# KiCad board oibus-mini-CCC_PANEL.kicad_pcb (continued)
## Routing (per net, layer and track width the routed paths; a pad name or vN(x,y) marks a point on that pad's centre or on a via; arc(x,y) is an arc through that point) (continued)
+5V: length 3319.4
  Top w0.5: U5#2.5 52.8,18.6 C9#2.2 ; C11#2.2 47.4,49.72 47.4,51.41 47,51.81 ; C11#2.2 47.41,50.01 ; C11#2.2 46.71,50.41 40.2,50.41 v4(39.6,49.81) ; v4(37.8,17.11) 37.8,16.4 37.6,16.2 37.6,8.46 38.45,7.61 45.38,7.61 45.55,7.43 46.95,7.43 47.12,7.61 47.55,7.61 47.75,7.41 ; U5#3.5 89.8,18.6 C9#3.2 ; C11#3.2 84.4,49.72 84.4,51.41 84,51.81 ; C11#3.2 84.41,50.01 ; C11#3.2 83.71,50.41 77.2,50.41 v4(76.6,49.81) ; v4(74.8,17.11) 74.8,16.4 74.6,16.2 74.6,8.46 75.45,7.61 82.38,7.61 82.55,7.43 83.95,7.43 84.12,7.61 84.55,7.61 84.75,7.41 ; v4(111.8,17.11) 111.8,16.4 111.6,16.2 111.6,8.46 112.45,7.61 119.38,7.61 119.55,7.43 120.95,7.43 121.12,7.61 121.55,7.61 121.75,7.41 ; U5#4.5 126.8,18.6 C9#4.2 ; C11#4.2 121.4,49.72 121.4,51.41 121,51.81 ; C11#4.2 121.41,50.01 ; C11#4.2 120.71,50.41 114.2,50.41 v4(113.6,49.81) ; U5#5.5 163.8,18.6 C9#6.2 ; C11#6.2 158.4,49.72 158.4,51.41 158,51.81 ; C11#6.2 158.41,50.01 ; C11#6.2 157.71,50.41 151.2,50.41 v4(150.6,49.81) ; v4(148.8,17.11) 148.8,16.4 148.6,16.2 148.6,8.46 149.45,7.61 156.38,7.61 156.55,7.43 157.95,7.43 158.12,7.61 158.55,7.61 158.75,7.41 ; U5#6.5 200.8,18.6 C9#5.2 ; C11#5.2 195.4,49.72 195.4,51.41 195,51.81 ; C11#5.2 195.41,50.01 ; C11#5.2 194.71,50.41 188.2,50.41 v4(187.6,49.81) ; v4(185.8,17.11) 185.8,16.4 185.6,16.2 185.6,8.46 186.45,7.61 193.38,7.61 193.55,7.43 194.95,7.43 195.12,7.61 195.55,7.61 195.75,7.41 ; U5#8.5 237.8,18.6 C9#7.2 ; C11#7.2 232.4,49.72 232.4,51.41 232,51.81 ; C11#7.2 232.41,50.01 ; C11#7.2 231.71,50.41 225.2,50.41 v4(224.6,49.81) ; v4(222.8,17.11) 222.8,16.4 222.6,16.2 222.6,8.46 223.45,7.61 230.38,7.61 230.55,7.43 231.95,7.43 232.12,7.61 232.55,7.61 232.75,7.41 ; v4(259.8,17.11) 259.8,16.4 259.6,16.2 259.6,8.46 260.45,7.61 267.38,7.61 267.55,7.43 268.95,7.43 269.12,7.61 269.55,7.61 269.75,7.41 ; U5#7.5 274.8,18.6 C9#8.2 ; C11#8.2 269.4,49.72 269.4,51.41 269,51.81 ; C11#8.2 269.41,50.01 ; C11#8.2 268.71,50.41 262.2,50.41 v4(261.6,49.81) ; U5#9.5 15.8,84.6 C9#9.2 ; C11#9.2 10.4,115.72 10.4,117.41 10,117.81 ; C11#9.2 10.41,116.01 ; C11#9.2 9.71,116.41 3.2,116.41 v4(2.6,115.81) ; v4(0.8,83.11) 0.8,82.4 0.6,82.2 0.6,74.46 1.45,73.61 8.38,73.61 8.55,73.43 9.95,73.43 10.12,73.61 10.55,73.61 10.75,73.41 ; U5#11.5 89.8,84.6 C9#12.2 ; C11#12.2 84.4,115.72 84.4,117.41 84,117.81 ; C11#12.2 84.41,116.01 ; C11#12.2 83.71,116.41 77.2,116.41 v4(76.6,115.81) ; v4(74.8,83.11) 74.8,82.4 74.6,82.2 74.6,74.46 75.45,73.61 82.38,73.61 82.55,73.43 83.95,73.43 84.12,73.61 84.55,73.61 84.75,73.41 ; v4(37.8,83.11) 37.8,82.4 37.6,82.2 37.6,74.46 38.45,73.61 45.38,73.61 45.55,73.43 46.95,73.43 47.12,73.61 47.55,73.61 47.75,73.41 ; U5#13.5 52.8,84.6 C9#13.2 ; C11#13.2 47.4,115.72 47.4,117.41 47,117.81 ; C11#13.2 47.41,116.01 ; C11#13.2 46.71,116.41 40.2,116.41 v4(39.6,115.81) ; U5#12.5 126.8,84.6 C9#11.2 ; C11#11.2 121.4,115.72 121.4,117.41 121,117.81 ; C11#11.2 121.41,116.01 ; C11#11.2 120.71,116.41 114.2,116.41 v4(113.6,115.81) ; v4(111.8,83.11) 111.8,82.4 111.6,82.2 111.6,74.46 112.45,73.61 119.38,73.61 119.55,73.43 120.95,73.43 121.12,73.61 121.55,73.61 121.75,73.41 ; U5#14.5 163.8,84.6 C9#10.2 ; C11#10.2 158.4,115.72 158.4,117.41 158,117.81 ; C11#10.2 158.41,116.01 ; C11#10.2 157.71,116.41 151.2,116.41 v4(150.6,115.81) ; v4(148.8,83.11) 148.8,82.4 148.6,82.2 148.6,74.46 149.45,73.61 156.38,73.61 156.55,73.43 157.95,73.43 158.12,73.61 158.55,73.61 158.75,73.41 ; v4(185.8,83.11) 185.8,82.4 185.6,82.2 185.6,74.46 186.45,73.61 193.38,73.61 193.55,73.43 194.95,73.43 195.12,73.61 195.55,73.61 195.75,73.41 ; U5#10.5 200.8,84.6 C9#14.2 ; C11#14.2 195.4,115.72 195.4,117.41 195,117.81 ; C11#14.2 195.41,116.01 ; C11#14.2 194.71,116.41 188.2,116.41 v4(187.6,115.81) ; U5#16.5 237.8,84.6 C9#15.2 ; C11#15.2 232.4,115.72 232.4,117.41 232,117.81 ; C11#15.2 232.41,116.01 ; C11#15.2 231.71,116.41 225.2,116.41 v4(224.6,115.81) ; v4(222.8,83.11) 222.8,82.4 222.6,82.2 222.6,74.46 223.45,73.61 230.38,73.61 230.55,73.43 231.95,73.43 232.12,73.61 232.55,73.61 232.75,73.41 ; C11#16.2 269.4,115.72 269.4,117.41 269,117.81 ; C11#16.2 269.41,116.01 ; C11#16.2 268.71,116.41 262.2,116.41 v4(261.6,115.81) ; U5#15.5 274.8,84.6 C9#16.2 ; v4(259.8,83.11) 259.8,82.4 259.6,82.2 259.6,74.46 260.45,73.61 267.38,73.61 267.55,73.43 268.95,73.43 269.12,73.61 269.55,73.61 269.75,73.41 ; U5#24.5 15.8,216.6 C9#24.2 ; C11#24.2 10.4,247.72 10.4,249.41 10,249.81 ; C11#24.2 10.41,248.01 ; C11#24.2 9.71,248.41 3.2,248.41 v4(2.6,247.81) ; v4(0.8,215.11) 0.8,214.4 0.6,214.2 0.6,206.46 1.45,205.61 8.38,205.61 8.55,205.43 9.95,205.43 10.12,205.61 10.55,205.61 10.75,205.41 ; U5#27.5 89.8,216.6 C9#28.2 ; C11#28.2 84.4,247.72 84.4,249.41 84,249.81 ; C11#28.2 84.41,248.01 ; C11#28.2 83.71,248.41 77.2,248.41 v4(76.6,247.81) ; v4(74.8,215.11) 74.8,214.4 74.6,214.2 74.6,206.46 75.45,205.61 82.38,205.61 82.55,205.43 83.95,205.43 84.12,205.61 84.55,205.61 84.75,205.41 ; U5#29.5 52.8,216.6 C9#29.2 ; C11#29.2 47.4,247.72 47.4,249.41 47,249.81 ; C11#29.2 47.41,248.01 ; C11#29.2 46.71,248.41 40.2,248.41 v4(39.6,247.81) ; v4(37.8,215.11) 37.8,214.4 37.6,214.2 37.6,206.46 38.45,205.61 45.38,205.61 45.55,205.43 46.95,205.43 47.12,205.61 47.55,205.61 47.75,205.41 ; C11#27.2 121.4,247.72 121.4,249.41 121,249.81 ; C11#27.2 121.41,248.01 ; C11#27.2 120.71,248.41 114.2,248.41 v4(113.6,247.81) ; v4(111.8,215.11) 111.8,214.4 111.6,214.2 111.6,206.46 112.45,205.61 119.38,205.61 119.55,205.43 120.95,205.43 121.12,205.61 121.55,205.61 121.75,205.41 ; U5#28.5 126.8,216.6 C9#27.2 ; U5#30.5 163.8,216.6 C9#26.2 ; C11#26.2 158.4,247.72 158.4,249.41 158,249.81 ; C11#26.2 158.41,248.01 ; C11#26.2 157.71,248.41 151.2,248.41 v4(150.6,247.81) ; v4(148.8,215.11) 148.8,214.4 148.6,214.2 148.6,206.46 149.45,205.61 156.38,205.61 156.55,205.43 157.95,205.43 158.12,205.61 158.55,205.61 158.75,205.41 ; U5#17.5 15.8,150.6 C9#17.2 ; C11#17.2 10.4,181.72 10.4,183.41 10,183.81 ; C11#17.2 10.41,182.01 ; C11#17.2 9.71,182.41 3.2,182.41 v4(2.6,181.81) ; v4(0.8,149.11) 0.8,148.4 0.6,148.2 0.6,140.46 1.45,139.61 8.38,139.61 8.55,139.43 9.95,139.43 10.12,139.61 10.55,139.61 10.75,139.41 ; U5#19.5 89.8,150.6 C9#20.2 ; C11#20.2 84.4,181.72 84.4,183.41 84,183.81 ; C11#20.2 84.41,182.01 ; C11#20.2 83.71,182.41 77.2,182.41 v4(76.6,181.81) ; v4(74.8,149.11) 74.8,148.4 74.6,148.2 74.6,140.46 75.45,139.61 82.38,139.61 82.55,139.43 83.95,139.43 84.12,139.61 84.55,139.61 84.75,139.41 ; v4(37.8,149.11) 37.8,148.4 37.6,148.2 37.6,140.46 38.45,139.61 45.38,139.61 45.55,139.43 46.95,139.43 47.12,139.61 47.55,139.61 47.75,139.41 ; U5#21.5 52.8,150.6 C9#21.2 ; C11#21.2 47.4,181.72 47.4,183.41 47,183.81 ; C11#21.2 47.41,182.01 ; C11#21.2 46.71,182.41 40.2,182.41 v4(39.6,181.81) ; U5#20.5 126.8,150.6 C9#19.2 ; C11#19.2 121.4,181.72 121.4,183.41 121,183.81 ; C11#19.2 121.41,182.01 ; C11#19.2 120.71,182.41 114.2,182.41 v4(113.6,181.81) ; v4(111.8,149.11) 111.8,148.4 111.6,148.2 111.6,140.46 112.45,139.61 119.38,139.61 119.55,139.43 120.95,139.43 121.12,139.61 121.55,139.61 121.75,139.41 ; U5#22.5 163.8,150.6 C9#18.2 ; C11#18.2 158.4,181.72 158.4,183.41 158,183.81 ; C11#18.2 158.41,182.01 ; C11#18.2 157.71,182.41 151.2,182.41 v4(150.6,181.81) ; v4(148.8,149.11) 148.8,148.4 148.6,148.2 148.6,140.46 149.45,139.61 156.38,139.61 156.55,139.43 157.95,139.43 158.12,139.61 158.55,139.61 158.75,139.41 ; v4(185.8,149.11) 185.8,148.4 185.6,148.2 185.6,140.46 186.45,139.61 193.38,139.61 193.55,139.43 194.95,139.43 195.12,139.61 195.55,139.61 195.75,139.41 ; U5#18.5 200.8,150.6 C9#22.2 ; C11#22.2 195.4,181.72 195.4,183.41 195,183.81 ; C11#22.2 195.41,182.01 ; C11#22.2 194.71,182.41 188.2,182.41 v4(187.6,181.81) ; U5#25.5 237.8,150.6 C9#23.2 ; C11#23.2 232.4,181.72 232.4,183.41 232,183.81 ; C11#23.2 232.41,182.01 ; C11#23.2 231.71,182.41 225.2,182.41 v4(224.6,181.81) ; v4(222.8,149.11) 222.8,148.4 222.6,148.2 222.6,140.46 223.45,139.61 230.38,139.61 230.55,139.43 231.95,139.43 232.12,139.61 232.55,139.61 232.75,139.41 ; C11#25.2 269.4,181.72 269.4,183.41 269,183.81 ; C11#25.2 269.41,182.01 ; C11#25.2 268.71,182.41 262.2,182.41 v4(261.6,181.81) ; U5#23.5 274.8,150.6 C9#25.2 ; v4(259.8,149.11) 259.8,148.4 259.6,148.2 259.6,140.46 260.45,139.61 267.38,139.61 267.55,139.43 268.95,139.43 269.12,139.61 269.55,139.61 269.75,139.41 ; C11#30.2 195.4,247.72 195.4,249.41 195,249.81 ; C11#30.2 195.41,248.01 ; C11#30.2 194.71,248.41 188.2,248.41 v4(187.6,247.81) ; U5#26.5 200.8,216.6 C9#30.2 ; v4(185.8,215.11) 185.8,214.4 185.6,214.2 185.6,206.46 186.45,205.61 193.38,205.61 193.55,205.43 194.95,205.43 195.12,205.61 195.55,205.61 195.75,205.41 ; U5#32.5 237.8,216.6 C9#31.2 ; C11#31.2 232.4,247.72 232.4,249.41 232,249.81 ; C11#31.2 232.41,248.01 ; C11#31.2 231.71,248.41 225.2,248.41 v4(224.6,247.81) ; v4(222.8,215.11) 222.8,214.4 222.6,214.2 222.6,206.46 223.45,205.61 230.38,205.61 230.55,205.43 231.95,205.43 232.12,205.61 232.55,205.61 232.75,205.41 ; U5#31.5 274.8,216.6 C9#32.2 ; v4(259.8,215.11) 259.8,214.4 259.6,214.2 259.6,206.46 260.45,205.61 267.38,205.61 267.55,205.43 268.95,205.43 269.12,205.61 269.55,205.61 269.75,205.41 ; C11#32.2 269.4,247.72 269.4,249.41 269,249.81 ; C11#32.2 269.41,248.01 ; C11#32.2 268.71,248.41 262.2,248.41 v4(261.6,247.81) ; U5.5 15.8,18.6 C9.2 ; 10,51.81 10.4,51.41 10.4,49.72 C11.2 ; v4(2.6,49.81) 3.2,50.41 9.71,50.41 C11.2 ; C11.2 10.41,50.01 ; v4(0.8,17.11) 0.8,16.4 0.6,16.2 0.6,8.46 1.45,7.61 8.38,7.61 8.55,7.43 9.95,7.43 10.12,7.61 10.55,7.61 10.75,7.41
  Top w0.6: v2(48.5,7.61) 47.95,7.61 47.75,7.41 ; v4(62.9,9.01) 64.06,9.01 C14#2.2 66.81,11.76 J3#2.2 ; v2(85.5,7.61) 84.95,7.61 84.75,7.41 ; v4(99.9,9.01) 101.06,9.01 C14#4.2 103.81,11.76 J3#3.2 ; v2(122.5,7.61) 121.95,7.61 121.75,7.41 ; v4(136.9,9.01) 138.06,9.01 C14#3.2 140.81,11.76 J3#4.2 ; v2(159.5,7.61) 158.95,7.61 158.75,7.41 ; v4(173.9,9.01) 175.06,9.01 C14#6.2 177.81,11.76 J3#5.2 ; v2(196.5,7.61) 195.95,7.61 195.75,7.41 ; v4(210.9,9.01) 212.06,9.01 C14#5.2 214.81,11.76 J3#6.2 ; v2(233.5,7.61) 232.95,7.61 232.75,7.41 ; v4(247.9,9.01) 249.06,9.01 C14#8.2 251.81,11.76 J3#8.2 ; v2(270.5,7.61) 269.95,7.61 269.75,7.41 ; v4(284.9,9.01) 286.06,9.01 C14#7.2 288.81,11.76 J3#7.2 ; v2(11.5,73.61) 10.95,73.61 10.75,73.41 ; v4(25.9,75.01) 27.06,75.01 C14#10.2 29.81,77.76 J3#9.2 ; v2(85.5,73.61) 84.95,73.61 84.75,73.41 ; v4(99.9,75.01) 101.06,75.01 C14#14.2 103.81,77.76 J3#11.2 ; v2(48.5,73.61) 47.95,73.61 47.75,73.41 ; v4(62.9,75.01) 64.06,75.01 C14#9.2 66.81,77.76 J3#13.2 ; v2(122.5,73.61) 121.95,73.61 121.75,73.41 ; v4(136.9,75.01) 138.06,75.01 C14#13.2 140.81,77.76 J3#12.2 ; v2(159.5,73.61) 158.95,73.61 158.75,73.41 ; v4(173.9,75.01) 175.06,75.01 C14#12.2 177.81,77.76 J3#14.2 ; v2(196.5,73.61) 195.95,73.61 195.75,73.41 ; v4(210.9,75.01) 212.06,75.01 C14#11.2 214.81,77.76 J3#10.2 ; v2(233.5,73.61) 232.95,73.61 232.75,73.41 ; v4(247.9,75.01) 249.06,75.01 C14#16.2 251.81,77.76 J3#16.2 ; 269.75,73.41 269.95,73.61 v2(270.5,73.61) ; v4(284.9,75.01) 286.06,75.01 C14#15.2 288.81,77.76 J3#15.2 ; v2(11.5,205.61) 10.95,205.61 10.75,205.41 ; v4(25.9,207.01) 27.06,207.01 C14#24.2 29.81,209.76 J3#23.2 ; v2(85.5,205.61) 84.95,205.61 84.75,205.41 ; v4(99.9,207.01) 101.06,207.01 C14#30.2 103.81,209.76 J3#27.2 ; v2(48.5,205.61) 47.95,205.61 47.75,205.41 ; v4(62.9,207.01) 64.06,207.01 C14#21.2 66.81,209.76 J3#29.2 ; v4(136.9,207.01) 138.06,207.01 C14#29.2 140.81,209.76 J3#28.2 ; v2(122.5,205.61) 121.95,205.61 121.75,205.41 ; v2(159.5,205.61) 158.95,205.61 158.75,205.41 ; v4(173.9,207.01) 175.06,207.01 C14#28.2 177.81,209.76 J3#30.2 ; v2(11.5,139.61) 10.95,139.61 10.75,139.41 ; v4(25.9,141.01) 27.06,141.01 C14#18.2 29.81,143.76 J3#17.2 ; v2(85.5,139.61) 84.95,139.61 84.75,139.41 ; v4(99.9,141.01) 101.06,141.01 C14#23.2 103.81,143.76 J3#19.2 ; v2(48.5,139.61) 47.95,139.61 47.75,139.41 ; v4(62.9,141.01) 64.06,141.01 C14#17.2 66.81,143.76 J3#21.2 ; v2(122.5,139.61) 121.95,139.61 121.75,139.41 ; v4(136.9,141.01) 138.06,141.01 C14#22.2 140.81,143.76 J3#20.2 ; v2(159.5,139.61) 158.95,139.61 158.75,139.41 ; v4(173.9,141.01) 175.06,141.01 C14#20.2 177.81,143.76 J3#22.2 ; v2(196.5,139.61) 195.95,139.61 195.75,139.41 ; v4(210.9,141.01) 212.06,141.01 C14#19.2 214.81,143.76 J3#18.2 ; v2(233.5,139.61) 232.95,139.61 232.75,139.41 ; v4(247.9,141.01) 249.06,141.01 C14#26.2 251.81,143.76 J3#25.2 ; 269.75,139.41 269.95,139.61 v2(270.5,139.61) ; v4(284.9,141.01) 286.06,141.01 C14#25.2 288.81,143.76 J3#24.2 ; J3#26.2 214.81,209.76 C14#27.2 212.06,207.01 v4(210.9,207.01) ; v2(196.5,205.61) 195.95,205.61 195.75,205.41 ; v2(233.5,205.61) 232.95,205.61 232.75,205.41 ; v4(247.9,207.01) 249.06,207.01 C14#32.2 251.81,209.76 J3#32.2 ; v2(270.5,205.61) 269.95,205.61 269.75,205.41 ; v4(284.9,207.01) 286.06,207.01 C14#31.2 288.81,209.76 J3#31.2 ; v4(25.9,9.01) 27.06,9.01 C14.2 29.81,11.76 J3.2 ; 10.75,7.41 10.95,7.61 v2(11.5,7.61)
  Top w1: C9#2.2 51.58,17.37 R4#2.1 47.9,15.47 47.9,12.11 H2#2.1 ; C9#3.2 88.58,17.37 R4#3.1 84.9,15.47 84.9,12.11 H2#3.1 ; C9#4.2 125.58,17.37 R4#4.1 121.9,15.47 121.9,12.11 H2#4.1 ; C9#6.2 162.57,17.37 R4#6.1 158.9,15.47 158.9,12.11 H2#6.1 ; C9#5.2 199.57,17.37 R4#5.1 195.9,15.47 195.9,12.11 H2#5.1 ; C9#7.2 236.57,17.37 R4#8.1 232.9,15.47 232.9,12.11 H2#7.1 ; C9#8.2 273.57,17.37 R4#7.1 269.9,15.47 269.9,12.11 H2#8.1 ; C9#9.2 14.57,83.37 R4#9.1 10.9,81.47 10.9,78.11 H2#9.1 ; C9#12.2 88.58,83.37 R4#11.1 84.9,81.47 84.9,78.11 H2#13.1 ; C9#13.2 51.58,83.37 R4#12.1 47.9,81.47 47.9,78.11 H2#12.1 ; C9#11.2 125.58,83.37 R4#10.1 121.9,81.47 121.9,78.11 H2#11.1 ; C9#10.2 162.57,83.37 R4#14.1 158.9,81.47 158.9,78.11 H2#10.1 ; C9#14.2 199.57,83.37 R4#13.1 195.9,81.47 195.9,78.11 H2#14.1 ; C9#15.2 236.57,83.37 R4#16.1 232.9,81.47 232.9,78.11 H2#15.1 ; C9#16.2 273.57,83.37 R4#15.1 269.9,81.47 269.9,78.11 H2#16.1 ; C9#24.2 14.57,215.37 R4#23.1 10.9,213.47 10.9,210.11 H2#23.1 ; C9#28.2 88.58,215.37 R4#27.1 84.9,213.47 84.9,210.11 H2#29.1 ; C9#29.2 51.58,215.37 R4#28.1 47.9,213.47 47.9,210.11 H2#28.1 ; C9#27.2 125.58,215.37 R4#26.1 121.9,213.47 121.9,210.11 H2#27.1 ; C9#26.2 162.57,215.37 R4#30.1 158.9,213.47 158.9,210.11 H2#26.1 ; C9#17.2 14.57,149.37 R4#17.1 10.9,147.47 10.9,144.11 H2#17.1 ; C9#20.2 88.58,149.37 R4#19.1 84.9,147.47 84.9,144.11 H2#21.1 ; C9#21.2 51.58,149.37 R4#20.1 47.9,147.47 47.9,144.11 H2#20.1 ; C9#19.2 125.58,149.37 R4#18.1 121.9,147.47 121.9,144.11 H2#19.1 ; C9#18.2 162.57,149.37 R4#22.1 158.9,147.47 158.9,144.11 H2#18.1 ; C9#22.2 199.57,149.37 R4#21.1 195.9,147.47 195.9,144.11 H2#22.1 ; C9#23.2 236.57,149.37 R4#25.1 232.9,147.47 232.9,144.11 H2#24.1 ; C9#25.2 273.57,149.37 R4#24.1 269.9,147.47 269.9,144.11 H2#25.1 ; C9#30.2 199.57,215.37 R4#29.1 195.9,213.47 195.9,210.11 H2#30.1 ; C9#31.2 236.57,215.37 R4#32.1 232.9,213.47 232.9,210.11 H2#31.1 ; C9#32.2 273.57,215.37 R4#31.1 269.9,213.47 269.9,210.11 H2#32.1 ; H2.1 10.9,12.11 10.9,15.47 R4.1 14.57,17.37 C9.2
  Bottom w0.5: v4(39.6,49.81) 37.6,47.81 37.6,31.61 38.8,30.41 38.8,27.21 39,27.01 39,26.81 39.4,26.41 39.4,23.92 37.64,22.16 37.64,17.97 37.8,17.82 v4(37.8,17.11) ; v4(76.6,49.81) 74.6,47.81 74.6,31.61 75.8,30.41 75.8,27.21 76,27.01 76,26.81 76.4,26.41 76.4,23.92 74.64,22.16 74.64,17.97 74.8,17.82 v4(74.8,17.11) ; v4(113.6,49.81) 111.6,47.81 111.6,31.61 112.8,30.41 112.8,27.21 113,27.01 113,26.81 113.4,26.41 113.4,23.92 111.64,22.16 111.64,17.97 111.8,17.82 v4(111.8,17.11) ; v4(150.6,49.81) 148.6,47.81 148.6,31.61 149.8,30.41 149.8,27.21 150,27.01 150,26.81 150.4,26.41 150.4,23.92 148.64,22.16 148.64,17.97 148.8,17.82 v4(148.8,17.11) ; v4(187.6,49.81) 185.6,47.81 185.6,31.61 186.8,30.41 186.8,27.21 187,27.01 187,26.81 187.4,26.41 187.4,23.92 185.64,22.16 185.64,17.97 185.8,17.82 v4(185.8,17.11) ; v4(224.6,49.81) 222.6,47.81 222.6,31.61 223.8,30.41 223.8,27.21 224,27.01 224,26.81 224.4,26.41 224.4,23.92 222.64,22.16 222.64,17.97 222.8,17.82 v4(222.8,17.11) ; v4(261.6,49.81) 259.6,47.81 259.6,31.61 260.8,30.41 260.8,27.21 261,27.01 261,26.81 261.4,26.41 261.4,23.92 259.64,22.16 259.64,17.97 259.8,17.82 v4(259.8,17.11) ; v4(2.6,115.81) 0.6,113.81 0.6,97.61 1.8,96.41 1.8,93.21 2,93.01 2,92.81 2.4,92.41 2.4,89.92 0.64,88.16 0.64,83.97 0.8,83.82 v4(0.8,83.11) ; v4(76.6,115.81) 74.6,113.81 74.6,97.61 75.8,96.41 75.8,93.21 76,93.01 76,92.81 76.4,92.41 76.4,89.92 74.64,88.16 74.64,83.97 74.8,83.82 v4(74.8,83.11) ; v4(39.6,115.81) 37.6,113.81 37.6,97.61 38.8,96.41 38.8,93.21 39,93.01 39,92.81 39.4,92.41 39.4,89.92 37.64,88.16 37.64,83.97 37.8,83.82 v4(37.8,83.11) ; v4(113.6,115.81) 111.6,113.81 111.6,97.61 112.8,96.41 112.8,93.21 113,93.01 113,92.81 113.4,92.41 113.4,89.92 111.64,88.16 111.64,83.97 111.8,83.82 v4(111.8,83.11) ; v4(150.6,115.81) 148.6,113.81 148.6,97.61 149.8,96.41 149.8,93.21 150,93.01 150,92.81 150.4,92.41 150.4,89.92 148.64,88.16 148.64,83.97 148.8,83.82 v4(148.8,83.11) ; v4(187.6,115.81) 185.6,113.81 185.6,97.61 186.8,96.41 186.8,93.21 187,93.01 187,92.81 187.4,92.41 187.4,89.92 185.64,88.16 185.64,83.97 185.8,83.82 v4(185.8,83.11) ; v4(261.6,115.81) 259.6,113.81 259.6,97.61 260.8,96.41 260.8,93.21 261,93.01 261,92.81 261.4,92.41 261.4,89.92 259.64,88.16 259.64,83.97 259.8,83.82 v4(259.8,83.11) ; v4(224.6,115.81) 222.6,113.81 222.6,97.61 223.8,96.41 223.8,93.21 224,93.01 224,92.81 224.4,92.41 224.4,89.92 222.64,88.16 222.64,83.97 222.8,83.82 v4(222.8,83.11) ; v4(2.6,247.81) 0.6,245.81 0.6,229.61 1.8,228.41 1.8,225.21 2,225.01 2,224.81 2.4,224.41 2.4,221.92 0.64,220.16 0.64,215.97 0.8,215.82 v4(0.8,215.11) ; v4(76.6,247.81) 74.6,245.81 74.6,229.61 75.8,228.41 75.8,225.21 76,225.01 76,224.81 76.4,224.41 76.4,221.92 74.64,220.16 74.64,215.97 74.8,215.82 v4(74.8,215.11) ; v4(39.6,247.81) 37.6,245.81 37.6,229.61 38.8,228.41 38.8,225.21 39,225.01 39,224.81 39.4,224.41 39.4,221.92 37.64,220.16 37.64,215.97 37.8,215.82 v4(37.8,215.11) ; v4(113.6,247.81) 111.6,245.81 111.6,229.61 112.8,228.41 112.8,225.21 113,225.01 113,224.81 113.4,224.41 113.4,221.92 111.64,220.16 111.64,215.97 111.8,215.82 v4(111.8,215.11) ; v4(150.6,247.81) 148.6,245.81 148.6,229.61 149.8,228.41 149.8,225.21 150,225.01 150,224.81 150.4,224.41 150.4,221.92 148.64,220.16 148.64,215.97 148.8,215.82 v4(148.8,215.11) ; v4(2.6,181.81) 0.6,179.81 0.6,163.61 1.8,162.41 1.8,159.21 2,159.01 2,158.81 2.4,158.41 2.4,155.92 0.64,154.16 0.64,149.97 0.8,149.82 v4(0.8,149.11) ; v4(76.6,181.81) 74.6,179.81 74.6,163.61 75.8,162.41 75.8,159.21 76,159.01 76,158.81 76.4,158.41 76.4,155.92 74.64,154.16 74.64,149.97 74.8,149.82 v4(74.8,149.11) ; v4(39.6,181.81) 37.6,179.81 37.6,163.61 38.8,162.41 38.8,159.21 39,159.01 39,158.81 39.4,158.41 39.4,155.92 37.64,154.16 37.64,149.97 37.8,149.82 v4(37.8,149.11) ; v4(113.6,181.81) 111.6,179.81 111.6,163.61 112.8,162.41 112.8,159.21 113,159.01 113,158.81 113.4,158.41 113.4,155.92 111.64,154.16 111.64,149.97 111.8,149.82 v4(111.8,149.11) ; v4(150.6,181.81) 148.6,179.81 148.6,163.61 149.8,162.41 149.8,159.21 150,159.01 150,158.81 150.4,158.41 150.4,155.92 148.64,154.16 148.64,149.97 148.8,149.82 v4(148.8,149.11) ; v4(187.6,181.81) 185.6,179.81 185.6,163.61 186.8,162.41 186.8,159.21 187,159.01 187,158.81 187.4,158.41 187.4,155.92 185.64,154.16 185.64,149.97 185.8,149.82 v4(185.8,149.11) ; v4(261.6,181.81) 259.6,179.81 259.6,163.61 260.8,162.41 260.8,159.21 261,159.01 261,158.81 261.4,158.41 261.4,155.92 259.64,154.16 259.64,149.97 259.8,149.82 v4(259.8,149.11) ; v4(224.6,181.81) 222.6,179.81 222.6,163.61 223.8,162.41 223.8,159.21 224,159.01 224,158.81 224.4,158.41 224.4,155.92 222.64,154.16 222.64,149.97 222.8,149.82 v4(222.8,149.11) ; v4(187.6,247.81) 185.6,245.81 185.6,229.61 186.8,228.41 186.8,225.21 187,225.01 187,224.81 187.4,224.41 187.4,221.92 185.64,220.16 185.64,215.97 185.8,215.82 v4(185.8,215.11) ; v4(224.6,247.81) 222.6,245.81 222.6,229.61 223.8,228.41 223.8,225.21 224,225.01 224,224.81 224.4,224.41 224.4,221.92 222.64,220.16 222.64,215.97 222.8,215.82 v4(222.8,215.11) ; v4(261.6,247.81) 259.6,245.81 259.6,229.61 260.8,228.41 260.8,225.21 261,225.01 261,224.81 261.4,224.41 261.4,221.92 259.64,220.16 259.64,215.97 259.8,215.82 v4(259.8,215.11) ; v4(2.6,49.81) 0.6,47.81 0.6,31.61 1.8,30.41 1.8,27.21 2,27.01 2,26.81 2.4,26.41 2.4,23.92 0.64,22.16 0.64,17.97 0.8,17.82 v4(0.8,17.11)
  Bottom w0.6: 50.2,9.81 50.2,9.31 v2(48.5,7.61) ; 87.2,9.81 87.2,9.31 v2(85.5,7.61) ; 124.2,9.81 124.2,9.31 v2(122.5,7.61) ; 161.2,9.81 161.2,9.31 v2(159.5,7.61) ; 198.2,9.81 198.2,9.31 v2(196.5,7.61) ; 235.2,9.81 235.2,9.31 v2(233.5,7.61) ; 272.2,9.81 272.2,9.31 v2(270.5,7.61) ; 13.2,75.81 13.2,75.31 v2(11.5,73.61) ; 87.2,75.81 87.2,75.31 v2(85.5,73.61) ; 50.2,75.81 50.2,75.31 v2(48.5,73.61) ; 124.2,75.81 124.2,75.31 v2(122.5,73.61) ; 161.2,75.81 161.2,75.31 v2(159.5,73.61) ; 198.2,75.81 198.2,75.31 v2(196.5,73.61) ; 235.2,75.81 235.2,75.31 v2(233.5,73.61) ; v2(270.5,73.61) 272.2,75.31 272.2,75.81 ; 13.2,207.81 13.2,207.31 v2(11.5,205.61) ; 87.2,207.81 87.2,207.31 v2(85.5,205.61) ; 50.2,207.81 50.2,207.31 v2(48.5,205.61) ; 124.2,207.81 124.2,207.31 v2(122.5,205.61) ; 161.2,207.81 161.2,207.31 v2(159.5,205.61) ; 13.2,141.81 13.2,141.31 v2(11.5,139.61) ; 87.2,141.81 87.2,141.31 v2(85.5,139.61) ; 50.2,141.81 50.2,141.31 v2(48.5,139.61) ; 124.2,141.81 124.2,141.31 v2(122.5,139.61) ; 161.2,141.81 161.2,141.31 v2(159.5,139.61) ; 198.2,141.81 198.2,141.31 v2(196.5,139.61) ; 235.2,141.81 235.2,141.31 v2(233.5,139.61) ; v2(270.5,139.61) 272.2,141.31 272.2,141.81 ; 198.2,207.81 198.2,207.31 v2(196.5,205.61) ; 235.2,207.81 235.2,207.31 v2(233.5,205.61) ; 272.2,207.81 272.2,207.31 v2(270.5,205.61) ; 13.2,9.81 13.2,9.31 v2(11.5,7.61)
  Bottom w0.8: v4(62.9,9.01) 62.19,9.01 62.14,9.06 50.95,9.06 H2#2.1 ; v4(99.9,9.01) 99.19,9.01 99.14,9.06 87.95,9.06 H2#3.1 ; v4(136.9,9.01) 136.19,9.01 136.14,9.06 124.95,9.06 H2#4.1 ; v4(173.9,9.01) 173.19,9.01 173.14,9.06 161.95,9.06 H2#6.1 ; v4(210.9,9.01) 210.19,9.01 210.14,9.06 198.95,9.06 H2#5.1 ; v4(247.9,9.01) 247.19,9.01 247.14,9.06 235.95,9.06 H2#7.1 ; v4(284.9,9.01) 284.19,9.01 284.14,9.06 272.95,9.06 H2#8.1 ; v4(25.9,75.01) 25.19,75.01 25.14,75.06 13.95,75.06 H2#9.1 ; v4(99.9,75.01) 99.19,75.01 99.14,75.06 87.95,75.06 H2#13.1 ; v4(62.9,75.01) 62.19,75.01 62.14,75.06 50.95,75.06 H2#12.1 ; v4(136.9,75.01) 136.19,75.01 136.14,75.06 124.95,75.06 H2#11.1 ; v4(173.9,75.01) 173.19,75.01 173.14,75.06 161.95,75.06 H2#10.1 ; v4(210.9,75.01) 210.19,75.01 210.14,75.06 198.95,75.06 H2#14.1 ; v4(247.9,75.01) 247.19,75.01 247.14,75.06 235.95,75.06 H2#15.1 ; v4(284.9,75.01) 284.19,75.01 284.14,75.06 272.95,75.06 H2#16.1 ; v4(25.9,207.01) 25.19,207.01 25.14,207.06 13.95,207.06 H2#23.1 ; v4(99.9,207.01) 99.19,207.01 99.14,207.06 87.95,207.06 H2#29.1 ; v4(62.9,207.01) 62.19,207.01 62.14,207.06 50.95,207.06 H2#28.1 ; v4(136.9,207.01) 136.19,207.01 136.14,207.06 124.95,207.06 H2#27.1 ; v4(173.9,207.01) 173.19,207.01 173.14,207.06 161.95,207.06 H2#26.1 ; v4(25.9,141.01) 25.19,141.01 25.14,141.06 13.95,141.06 H2#17.1 ; v4(99.9,141.01) 99.19,141.01 99.14,141.06 87.95,141.06 H2#21.1 ; v4(62.9,141.01) 62.19,141.01 62.14,141.06 50.95,141.06 H2#20.1 ; v4(136.9,141.01) 136.19,141.01 136.14,141.06 124.95,141.06 H2#19.1 ; v4(173.9,141.01) 173.19,141.01 173.14,141.06 161.95,141.06 H2#18.1 ; v4(210.9,141.01) 210.19,141.01 210.14,141.06 198.95,141.06 H2#22.1 ; v4(247.9,141.01) 247.19,141.01 247.14,141.06 235.95,141.06 H2#24.1 ; v4(284.9,141.01) 284.19,141.01 284.14,141.06 272.95,141.06 H2#25.1 ; v4(210.9,207.01) 210.19,207.01 210.14,207.06 198.95,207.06 H2#30.1 ; v4(247.9,207.01) 247.19,207.01 247.14,207.06 235.95,207.06 H2#31.1 ; v4(284.9,207.01) 284.19,207.01 284.14,207.06 272.95,207.06 H2#32.1 ; H2.1 13.95,9.06 25.14,9.06 25.19,9.01 v4(25.9,9.01)
/5V_EN: length 609.8
  Top w0.2: v2(58.98,23.67) 58.68,23.37 54.15,23.37 53.41,24.11 52.07,24.11 51.85,23.89 U5#2.3 ; U8#2.38 60.89,29.5 v2(59.2,27.81) ; v2(95.98,23.67) 95.68,23.37 91.15,23.37 90.41,24.11 89.07,24.11 88.85,23.89 U5#3.3 ; U8#4.38 97.89,29.5 v2(96.2,27.81) ; v2(132.98,23.67) 132.68,23.37 128.15,23.37 127.41,24.11 126.07,24.11 125.85,23.89 U5#4.3 ; U8#3.38 134.89,29.5 v2(133.2,27.81) ; v2(170.2,27.81) 171.89,29.5 U8#6.38 ; U5#5.3 162.85,23.89 163.07,24.11 164.41,24.11 165.15,23.37 169.68,23.37 v2(169.98,23.67) ; v2(206.98,23.67) 206.68,23.37 202.15,23.37 201.41,24.11 200.07,24.11 199.85,23.89 U5#6.3 ; U8#5.38 208.89,29.5 v2(207.2,27.81) ; v2(244.2,27.81) 245.89,29.5 U8#7.38 ; U5#8.3 236.85,23.89 237.07,24.11 238.41,24.11 239.15,23.37 243.68,23.37 v2(243.98,23.67) ; v2(280.98,23.67) 280.68,23.37 276.15,23.37 275.41,24.11 274.07,24.11 273.85,23.89 U5#7.3 ; U8#8.38 282.89,29.5 v2(281.2,27.81) ; v2(21.98,89.67) 21.68,89.37 17.15,89.37 16.41,90.11 15.07,90.11 14.85,89.89 U5#9.3 ; U8#11.38 23.89,95.5 v2(22.2,93.81) ; v2(58.98,89.67) 58.68,89.37 54.15,89.37 53.41,90.11 52.07,90.11 51.85,89.89 U5#13.3 ; U8#9.38 60.89,95.5 v2(59.2,93.81) ; v2(96.2,93.81) 97.89,95.5 U8#13.38 ; U5#11.3 88.85,89.89 89.07,90.11 90.41,90.11 91.15,89.37 95.68,89.37 v2(95.98,89.67) ; v2(132.98,89.67) 132.68,89.37 128.15,89.37 127.41,90.11 126.07,90.11 125.85,89.89 U5#12.3 ; U8#10.38 134.89,95.5 v2(133.2,93.81) ; v2(170.2,93.81) 171.89,95.5 U8#12.38 ; U5#14.3 162.85,89.89 163.07,90.11 164.41,90.11 165.15,89.37 169.68,89.37 v2(169.98,89.67) ; v2(206.98,89.67) 206.68,89.37 202.15,89.37 201.41,90.11 200.07,90.11 199.85,89.89 U5#10.3 ; U8#14.38 208.89,95.5 v2(207.2,93.81) ; v2(280.98,89.67) 280.68,89.37 276.15,89.37 275.41,90.11 274.07,90.11 273.85,89.89 U5#15.3 ; U8#16.38 282.89,95.5 v2(281.2,93.81) ; v2(244.2,93.81) 245.89,95.5 U8#15.38 ; U5#16.3 236.85,89.89 237.07,90.11 238.41,90.11 239.15,89.37 243.68,89.37 v2(243.98,89.67) ; v2(21.98,221.67) 21.68,221.37 17.15,221.37 16.41,222.11 15.07,222.11 14.85,221.89 U5#24.3 ; U8#25.38 23.89,227.5 v2(22.2,225.81) ; v2(58.98,221.67) 58.68,221.37 54.15,221.37 53.41,222.11 52.07,222.11 51.85,221.89 U5#29.3 ; U8#21.38 60.89,227.5 v2(59.2,225.81) ; v2(96.2,225.81) 97.89,227.5 U8#29.38 ; U5#27.3 88.85,221.89 89.07,222.11 90.41,222.11 91.15,221.37 95.68,221.37 v2(95.98,221.67) ; v2(132.98,221.67) 132.68,221.37 128.15,221.37 127.41,222.11 126.07,222.11 125.85,221.89 U5#28.3 ; U8#24.38 134.89,227.5 v2(133.2,225.81) ; v2(21.98,155.67) 21.68,155.37 17.15,155.37 16.41,156.11 15.07,156.11 14.85,155.89 U5#17.3 ; U8#19.38 23.89,161.5 v2(22.2,159.81) ; v2(58.98,155.67) 58.68,155.37 54.15,155.37 53.41,156.11 52.07,156.11 51.85,155.89 U5#21.3 ; U8#17.38 60.89,161.5 v2(59.2,159.81) ; v2(96.2,159.81) 97.89,161.5 U8#22.38 ; U5#19.3 88.85,155.89 89.07,156.11 90.41,156.11 91.15,155.37 95.68,155.37 v2(95.98,155.67) ; v2(132.98,155.67) 132.68,155.37 128.15,155.37 127.41,156.11 126.07,156.11 125.85,155.89 U5#20.3 ; U8#18.38 134.89,161.5 v2(133.2,159.81) ; v2(170.2,159.81) 171.89,161.5 U8#20.38 ; U5#22.3 162.85,155.89 163.07,156.11 164.41,156.11 165.15,155.37 169.68,155.37 v2(169.98,155.67) ; v2(206.98,155.67) 206.68,155.37 202.15,155.37 201.41,156.11 200.07,156.11 199.85,155.89 U5#18.3 ; U8#23.38 208.89,161.5 v2(207.2,159.81) ; v2(280.98,155.67) 280.68,155.37 276.15,155.37 275.41,156.11 274.07,156.11 273.85,155.89 U5#23.3 ; U8#27.38 282.89,161.5 v2(281.2,159.81) ; v2(244.2,159.81) 245.89,161.5 U8#26.38 ; U5#25.3 236.85,155.89 237.07,156.11 238.41,156.11 239.15,155.37 243.68,155.37 v2(243.98,155.67) ; v2(206.98,221.67) 206.68,221.37 202.15,221.37 201.41,222.11 200.07,222.11 199.85,221.89 U5#26.3 ; U8#30.38 208.89,227.5 v2(207.2,225.81) ; v2(169.98,221.67) 169.68,221.37 165.15,221.37 164.41,222.11 163.07,222.11 162.85,221.89 U5#30.3 ; v2(170.2,225.81) 171.89,227.5 U8#28.38 ; v2(244.2,225.81) 245.89,227.5 U8#31.38 ; U5#32.3 236.85,221.89 237.07,222.11 238.41,222.11 239.15,221.37 243.68,221.37 v2(243.98,221.67) ; v2(280.98,221.67) 280.68,221.37 276.15,221.37 275.41,222.11 274.07,222.11 273.85,221.89 U5#31.3 ; U8#32.38 282.89,227.5 v2(281.2,225.81) ; U5.3 14.85,23.89 15.07,24.11 16.41,24.11 17.15,23.37 21.68,23.37 v2(21.98,23.67) ; U8.38 23.89,29.5 v2(22.2,27.81)